# Altium PCB 电解模块主控板_V1.0_ZM_20210726.PcbDoc (part 1 of 2) (continued)
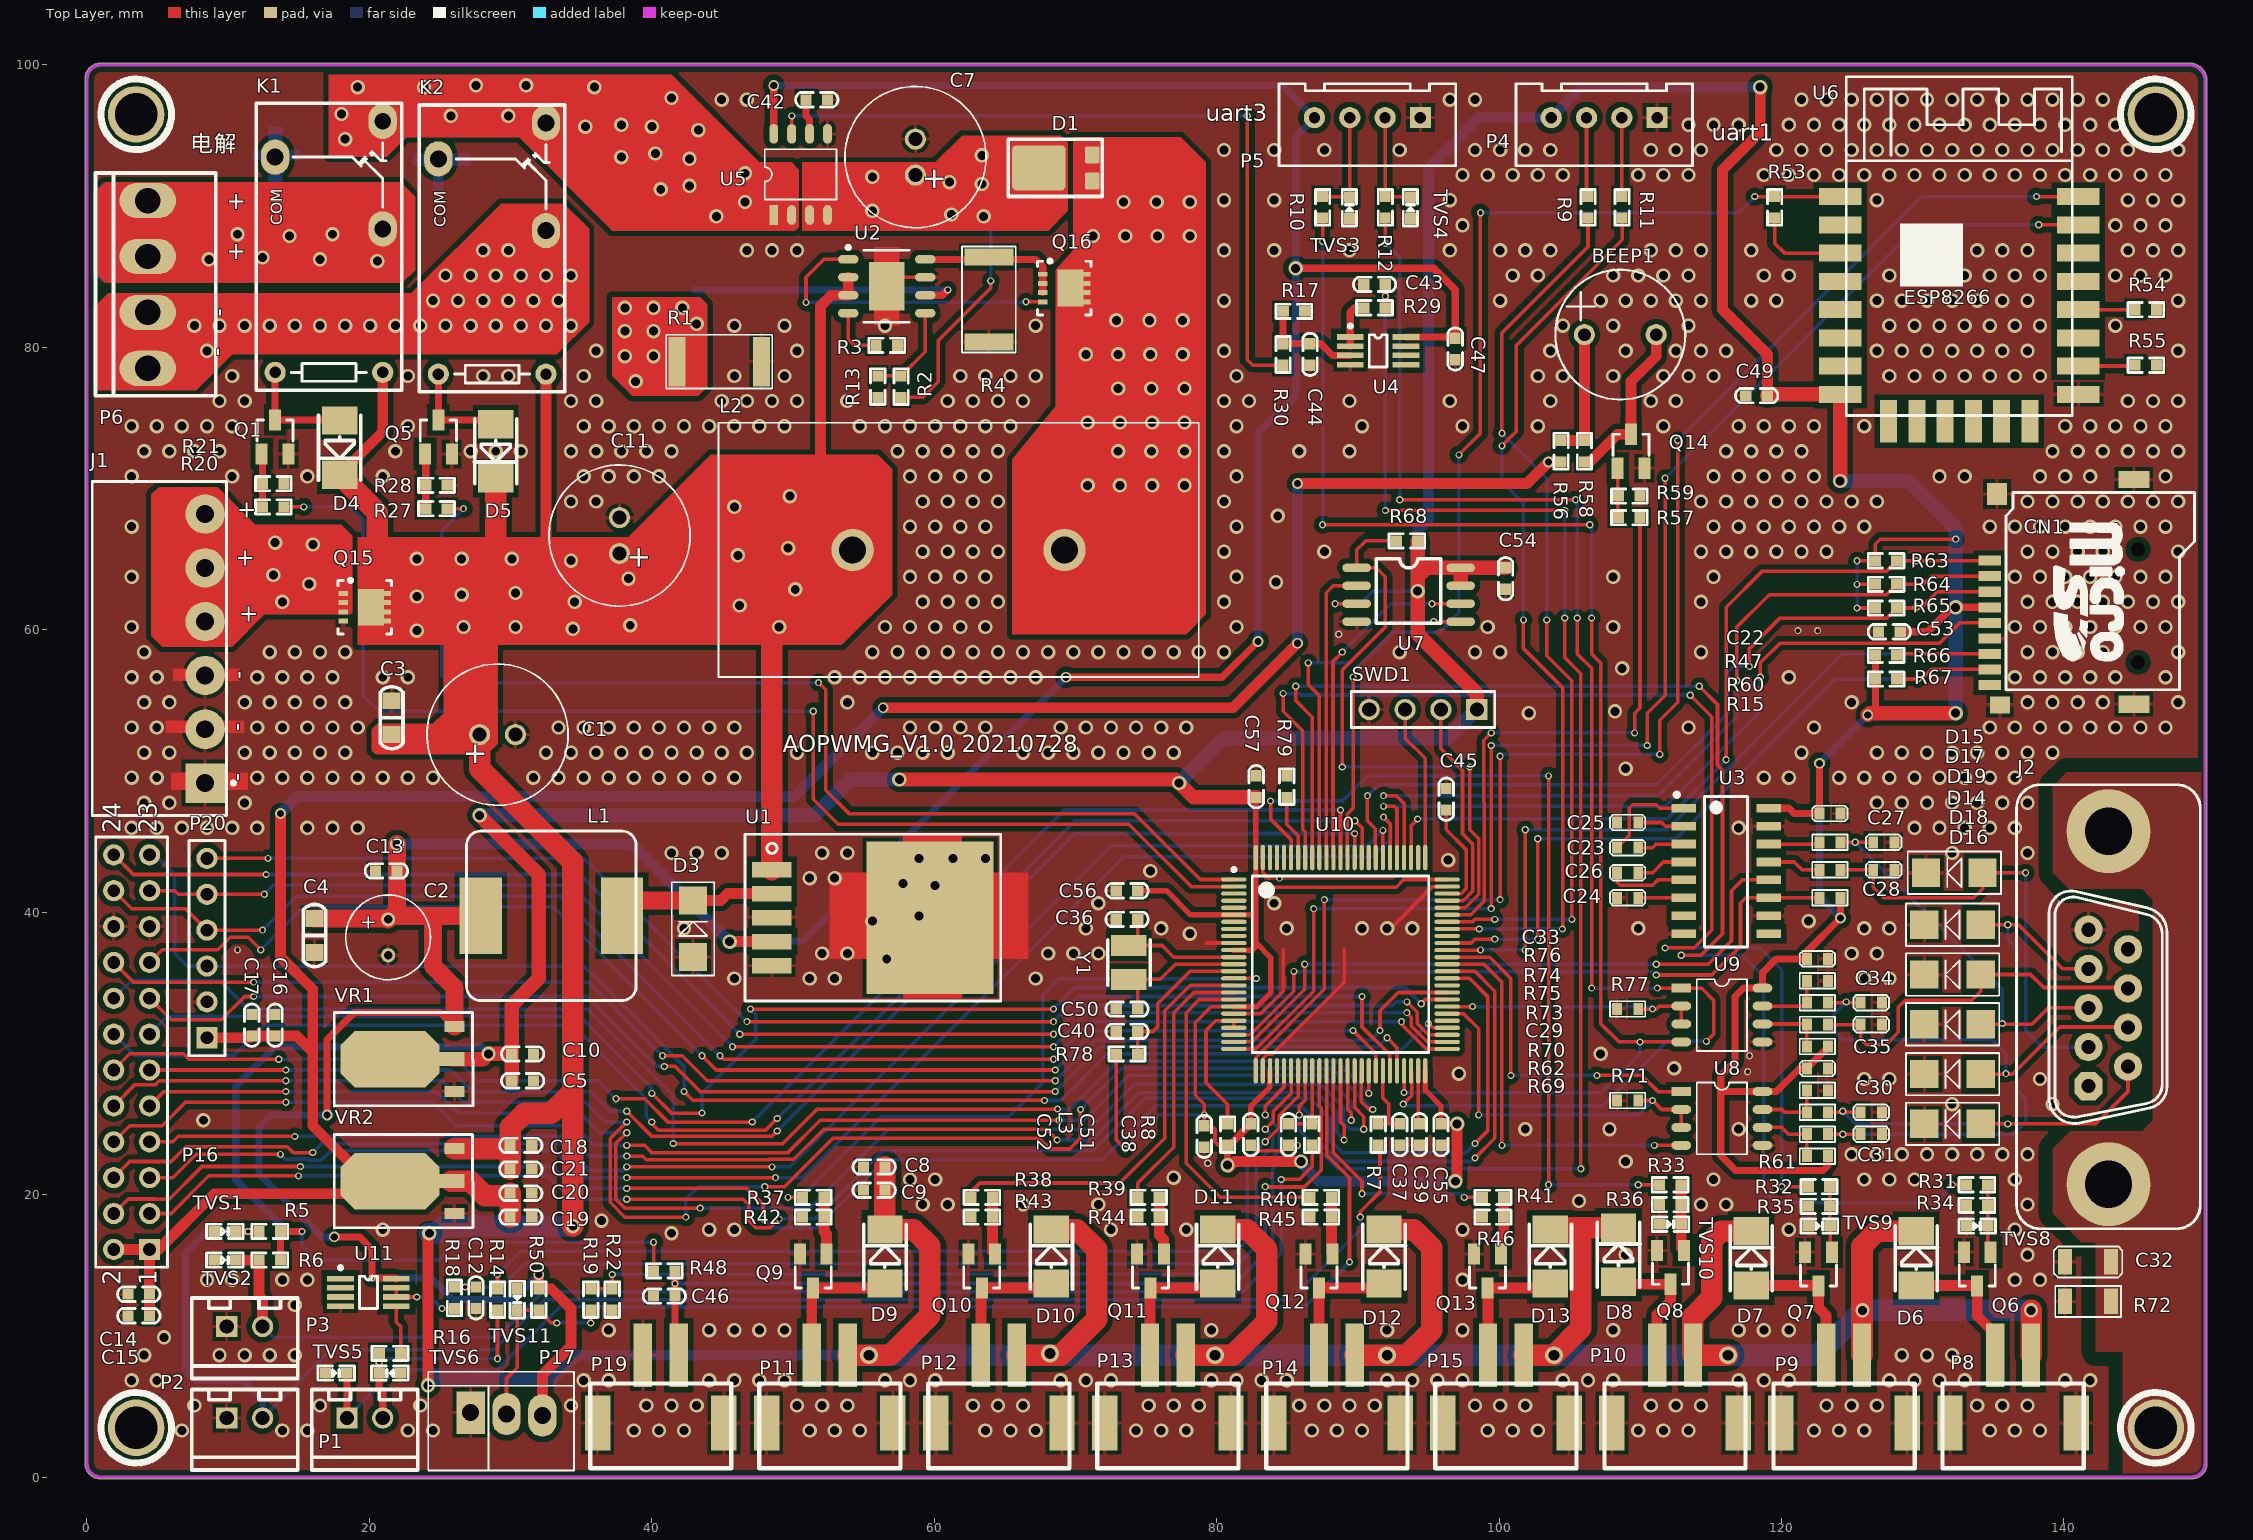
[diagram p0: Top Layer view]
## Footprints (in the part's own frame and the unit in brackets; to place one, negate y for a bottom-side part, rotate by r counter-clockwise, add the part's x,y. Pads: shape width x height; smd on the part's side, far side on the other; paste and mask are expansions set on the pad)
3X2.54MMZ2 [mm]
  rect 2x3 hole 1.2: 1(0,0)
  oval 2x3 hole 1.2: 2(2.54,-0.1) 3(5.08,-0.2)
  silkscreen extent -3,-4.1 7.31,2.9
6*8 [mm]
  round 1 hole 0.6: 1(1.27,0) 2(-1.27,0)
  silkscreen extent -3,-3 3,3
10*16 [mm]
  round 1.5 hole 1: 1(1.27,0) 2(-1.27,0)
  silkscreen extent -5,-5 5,5
0603C [mm]
  rect 0.7x0.85 smd: 1(0,0) 2(1.5,0)
  silkscreen extent -0.5,-0.55 2,0.55
0603R [mm]
  rect 0.7x0.85 smd: 1(0,0) 2(1.5,0)
  silkscreen extent -0.5,-0.55 2,0.55
1206C [mm]
  rect 1x1.8 smd: 1(0,0) 2(3.25,0)
  silkscreen extent -0.8,-1.1 4.05,1.1
1206r [mm]
  rect 1x1.8 smd: 1(0,0) 2(3.25,0)
  silkscreen extent -0.7,-1.1 3.95,1.1
2512R [mm]
  rect 1.2x3.5 smd: 1(0,0) 2(6,0)
  silkscreen extent -0.75,-1.9 6.75,1.9
2512r [mm]
  rect 1.2x3.5 smd: 1(0,0) 2(6,0)
  silkscreen extent -0.75,-1.9 6.75,1.9
BEEP-9.5X5.5 [mm]
  round 1.5 hole 0.9: 1(-2.54,0) 2(2.54,0)
  silkscreen extent -4.6,-4.6 4.6,4.6
CDRH-127 [mm]
  rect 3x5.4 smd: 1(-5,0) 2(5,0)
  silkscreen extent -6,-6 6,6, body extent -6,-6 6,6, height 8.2
DB2ERC-3P81-6P [mm]
  rect 2.79x2.79 hole 1.27: 1(0,0)
  round 2.79 hole 1.27: 2(3.81,0) 3(7.62,0) 4(11.43,0) 5(15.24,0) 6(19.05,0)
  silkscreen extent -2.3,-2.13 21.35,8
DFN3*3-8 [mm] "QFN, 16-Leads, Body 3.30x3.30mm, Pitch 0.65mm, Thermal Pad 2.45x2.45mm, IPC Medium Density"
  rect 0.35x0.65 smd: 1(0.975,-1.525) 2(-0.975,1.525) 2(-0.325,1.525) 2(0.325,1.525) 2(0.975,1.525) 3(-0.975,-1.525) 3(-0.325,-1.525) 3(0.325,-1.525)
  rect 2.6x1.84 smd: 2(0,0.45)
  silkscreen extent -2.03,-1.9 1.9,1.9, body extent -1.75,-1.75 1.75,1.75, height 0.8
DIP-9 [mm]
  oct 2x2 hole 1: 1(0,0)
  round 2 hole 1: 2(2.77,0) 3(5.54,0) 4(8.31,0) 5(11.08,0) 6(9.695,-2.803) 7(6.925,-2.803) 8(4.155,-2.803) 9(1.385,-2.803)
  round 5.95 hole 3.35: 10(-6.94,-1.42) 11(18.055,-1.42)
  silkscreen extent -10.09,-7.92 21.34,5.09
DO-214-AC [mm]
  rect 2x2.5 smd: 1(-1.915,0) 2(1.915,0)
  silkscreen extent -2.3,-1.52 2.3,1.5, body extent -2.3,-1.35 2.3,1.35, height 2.4
ESP-12F [mm]
  rect 3x1.2 smd: 1(0.203,0) 2(0.203,-2) 3(0.203,-4) 4(0.203,-6) 5(0.203,-8) 6(0.203,-10) 7(0.203,-12) 8(0.203,-14) 15(17.069,-14) 16(17.069,-12) 17(17.069,-10) 18(17.069,-8) 19(17.069,-6) 20(17.069,-4) 21(17.069,-2) 22(17.069,0)
  rect 1.2x3 smd: 9(3.632,-15.9) 10(5.632,-15.9) 11(7.632,-15.9) 12(9.632,-15.9) 13(11.632,-15.9) 14(13.632,-15.9)
  silkscreen extent 0.63,-15.49 16.64,8.49
G5Q-14 [mm]
  oval 2.5x2 hole 1.2: 1(1.27,-3.81) 2(8.89,-3.81) 3(6.35,3.81)
  round 1.5 hole 0.8: 4(-8.89,3.81) 5(-8.89,-3.81)
  silkscreen extent -10.15,-5.15 10.17,5.15, body extent -9.9,-4.95 9.9,4.95, height 15.91
HDR1X6 [mm] "Connector; Header; 6 Position"
  rect 1.5x1.5 hole 0.9: 1(0,0)
  round 1.5 hole 0.9: 2(2.54,0) 3(5.08,0) 4(7.62,0) 5(10.16,0) 6(12.7,0)
  silkscreen extent -1.27,-1.27 13.97,1.27
HDR2X12 [mm] "Connector; Header; 12x2 Position"
  rect 1.5x1.5 hole 0.9: 1(0,0)
  round 1.5 hole 0.9: 2(0,2.54) 3(2.54,0) 4(2.54,2.54) 5(5.08,0) 6(5.08,2.54) 7(7.62,0) 8(7.62,2.54) 9(10.16,0) 10(10.16,2.54) 11(12.7,0) 12(12.7,2.54) 13(15.24,0) 14(15.24,2.54) 15(17.78,0) 16(17.78,2.54) 17(20.32,0) 18(20.32,2.54) 19(22.86,0) 20(22.86,2.54) 21(25.4,0) 22(25.4,2.54) 23(27.94,0) 24(27.94,2.54)
  silkscreen extent -1.27,-1.27 29.21,3.81
INDUCTOR_34*18 [mm]
  round 3 hole 1.9: 1(0,0) 2(15,0)
  silkscreen extent -9.5,-9 24.5,9
MSOP-8 [mm]
  rect 1.9x0.4 smd: 1(-1.975,0.975) 2(-1.975,0.325) 3(-1.975,-0.325) 4(-1.975,-0.975) 5(1.975,-0.975) 6(1.975,-0.325) 7(1.975,0.325) 8(1.975,0.975)
  silkscreen extent -2.1,-1.14 0.64,1.87, body extent -2.45,-1.5 2.45,1.5, height 1.15
SD_Card_TF [mil]
  round 30 hole 39.37 mask+0: 0(-31.5,413.39) 0(283.46,413.39)
  rect 28x62 smd: 1(0,0) 2(43.31,0) 3(86.61,0) 4(129.92,0) 5(173.23,0) 6(216.54,0) 7(259.84,0) 8(303.15,0) 9(346.46,0)
  rect 48x56 smd: 10(402,28)
  rect 48x86 smd: 11(400,402) 12(-226,402)
  rect 62x56 smd: 13(-186,20)
  silkscreen extent -190,45 360,571
SIP-2A [mm]
  rect 1.5x1.5 hole 1: 1(-1.27,0)
  round 1.5 hole 1: 2(1.27,0)
  silkscreen extent -3.75,-3.68 3.75,2.02, body extent -3.7,-3.81 3.7,2.29, height 7.5
SIP-4 [mm]
  rect 1.5x1.5 hole 1: 1(-3.81,0)
  round 1.5 hole 1: 2(-1.27,0) 3(1.27,0) 4(3.81,0)
  silkscreen extent -5.08,-1.27 5.08,1.27
SMA [mm]
  rect 2x2 smd: 1(0,0) 2(4,0)
  silkscreen extent -1.3,-1.5 5.3,1.5
SMD-0603 [mil]
  rect 31.5x30 smd: 1(-30,0) 2(30,0)
  silkscreen extent -50,-20 50,20, body extent -31,-16 31,16, height 18
SMD-0603C [mil] "贴片电容"
  rect 31.5x30 smd: 1(-30,0) 2(30,0)
  silkscreen extent -59,-20 59,20, body extent -31,-16 31,16
SMD-0805C [mm]
  rect 1.2x1.27 smd: 1(-1.2,0) 2(1.2,0)
  silkscreen extent -2.2,-0.8 2.2,0.8, body extent -1.42,-0.67 1.58,0.73, height 0.93
SO-8 [mil]
  rect 55x25 smd: 1(0,0)
  oval 55x25 smd: 2(0,-50) 3(0,-100) 4(0,-150) 5(226.38,-150) 6(226.38,-100) 7(226.38,-50) 8(226.38,0)
  silkscreen extent 43,-175 183,25
SO-8W [mil]
  oval 80x24 smd: 1(0,0) 2(0,-50) 3(0,-100) 4(0,-150) 5(290,-150) 6(290,-100) 7(290,-50) 8(290,0)
  silkscreen extent 55,-155 235,25
SO-16Z [mil]
  rect 68x24 smd: 1(0,0) 2(0,-50) 3(0,-100) 4(0,-150) 5(0,-200) 6(0,-250) 7(0,-300) 8(0,-350) 9(237.11,-350) 10(237.11,-300) 11(237.11,-250) 12(237.11,-200) 13(237.11,-150) 14(237.11,-100) 15(237.11,-50) 16(237.11,0)
  silkscreen extent -19,-387 178,38
SOD-523 [mil]
  rect 31.5x30 smd: 1(-30,0) 2(30,0)
  silkscreen extent -51,-20 51,20, body extent -31,-16 31,16, height 26
SOP127P600X265_HS-9N [mm] "SOP, 8-Leads, Body 4.90x3.90mm, Pitch 1.27mm, Thermal Pad 3.40x2.52mm, IPC Medium Density"
  oval 1.45x0.6 smd: 1(-2.725,1.905) 2(-2.725,0.635) 3(-2.725,-0.635) 4(-2.725,-1.905) 5(2.725,-1.905) 6(2.725,-0.635) 7(2.725,0.635) 8(2.725,1.905)
  rect 2.52x3.4 smd: 9(0,0)
  silkscreen extent -2.85,-2.55 1.6,2.88, body extent -2,-2.55 2,2.55, height 2.65
SOT223 [mm]
  rect 0.8x1.4 smd: 1(0,0) 3(4.6,0)
  rect 1x1.854 smd: 2(2.3,0.227)
  oct 4x7 smd: 4(2.286,4.572)
  silkscreen extent -1.02,-1.3 5.59,8.51
SOT-23 [mm]
  rect 0.85x1.5 smd: 1(-0.95,-1.2) 2(0.95,-1.2) 3(0,1.2)
  silkscreen extent -1.27,-0.3 1.28,1.2, body extent -1.45,-1.4 1.45,1.4, height 1.2
STM-LQFP100_N [mm] "Thin QFP, 100-Leads, Body 14x14mm, Pitch 0.5mm, IPC Medium Density"
  oval 1.8x0.3 smd: 1(-7.55,6) 2(-7.55,5.5) 3(-7.55,5) 4(-7.55,4.5) 5(-7.55,4) 6(-7.55,3.5) 7(-7.55,3) 8(-7.55,2.5) 9(-7.55,2) 10(-7.55,1.5) 11(-7.55,1) 12(-7.55,0.5) 13(-7.55,0) 14(-7.55,-0.5) 15(-7.55,-1) 16(-7.55,-1.5) 17(-7.55,-2) 18(-7.55,-2.5) 19(-7.55,-3) 20(-7.55,-3.5) 21(-7.55,-4) 22(-7.55,-4.5) 23(-7.55,-5) 24(-7.55,-5.5) 25(-7.55,-6) 51(7.55,-6) 52(7.55,-5.5) 53(7.55,-5) 54(7.55,-4.5) 55(7.55,-4) 56(7.55,-3.5) 57(7.55,-3) 58(7.55,-2.5) 59(7.55,-2) 60(7.55,-1.5) 61(7.55,-1) 62(7.55,-0.5) 63(7.55,0) 64(7.55,0.5) 65(7.55,1) 66(7.55,1.5) 67(7.55,2) 68(7.55,2.5) 69(7.55,3) 70(7.55,3.5) 71(7.55,4) 72(7.55,4.5) 73(7.55,5) 74(7.55,5.5) 75(7.55,6)
  oval 0.3x1.8 smd: 26(-6,-7.55) 27(-5.5,-7.55) 28(-5,-7.55) 29(-4.5,-7.55) 30(-4,-7.55) 31(-3.5,-7.55) 32(-3,-7.55) 33(-2.5,-7.55) 34(-2,-7.55) 35(-1.5,-7.55) 36(-1,-7.55) 37(-0.5,-7.55) 38(0,-7.55) 39(0.5,-7.55) 40(1,-7.55) 41(1.5,-7.55) 42(2,-7.55) 43(2.5,-7.55) 44(3,-7.55) 45(3.5,-7.55) 46(4,-7.55) 47(4.5,-7.55) 48(5,-7.55) 49(5.5,-7.55) 50(6,-7.55) 76(6,7.55) 77(5.5,7.55) 78(5,7.55) 79(4.5,7.55) 80(4,7.55) 81(3.5,7.55) 82(3,7.55) 83(2.5,7.55) 84(2,7.55) 85(1.5,7.55) 86(1,7.55) 87(0.5,7.55) 88(0,7.55) 89(-0.5,7.55) 90(-1,7.55) 91(-1.5,7.55) 92(-2,7.55) 93(-2.5,7.55) 94(-3,7.55) 95(-3.5,7.55) 96(-4,7.55) 97(-4.5,7.55) 98(-5,7.55) 99(-5.5,7.55) 100(-6,7.55)
  silkscreen extent -7.67,-6.25 6.25,6.82, body extent -7,-7 7,7, height 1.6
TO227 [mm] "DPAK"
  rrect20% 1.2x1 smd: 1(-0.92,-3.25) 1(0.92,-3.25)
  rrect20% 3.2x3.8 smd: 2(0,0.533)
  silkscreen extent -2.02,-3.96 2.04,2.69
TO-263-5 [mm]
  rect 1.1x2.8 smd: 1(-3.4,0) 2(-1.7,0) 3(0,0) 4(1.7,0) 5(3.4,0)
  rect 10.8x9 smd: 6(0,11.2)
  silkscreen extent -5.9,-1.9 5.9,16.2, body extent -5.08,-0.32 5.08,14.32, height 4.57
VH-AW-3.96*4P [mm]
  oval 2.5x4 hole 1.8: 1(-5.94,0) 2(-1.98,0) 3(1.98,0) 4(5.94,0)
  silkscreen extent -7.89,-4.8 7.89,3.7, body extent -7.89,-4.7 7.89,3.8, height 11.2
XH2.54-4A [mm]
  rect 1.5x1.5 hole 0.8: 1(-3.75,0)
  round 1.5 hole 0.8: 2(-1.25,0) 3(1.25,0) 4(3.75,0)
  silkscreen extent -6.25,-2.4 6.25,3.4, body extent -6.2,-2.35 6.2,3.4, height 7.1
XH-2.54-2P-LI [mm]
  rect 1.8x3.9 smd: 0(-4.47,4.8) 0(4.47,4.8)
  rect 1.3x4.5 smd: 1(-1.27,0) 2(1.27,0)
  silkscreen extent -5,2 5,8
XTAL-3225-2 [mm]
  rect 1.5x2.5 smd: 1(-1.2,0) 2(1.2,0)
  silkscreen extent -1.6,-1.5 1.6,1.5, body extent -1.6,-1.25 1.6,1.25, height 0.9

## Part data
C1 C2 C7 C11: library part CAP2, "电解电容"
C3 C4 C8 C9 C10 C12 C13 C43 C44 C46: library part CAP4, "贴片电容 10%"
C5 C14 C15 C16 C17 C18 C19 C20 C21 C37 C38 C39 C40 C45 C49 C51 C52 C53 C54 C55 C56 C57: library part CAP4, "贴片电容 20%"
C22 C23 C24 C25 C26 C27 C28 C29 C30 C31 C32 C33 C34 C35: library part CAP
C36 C50: library part CAP4, "贴片电容 5%"
C42: library part C, "贴片电容 10%"
C47: library part "0805 22uF (226) 20% 25V", "贴片电容 10%"
CN1: library part "SD Card"
D1: library part DIODE2, "肖特基二极管"
D3: library part DIODE
D4 D5 D6 D7 D8 D9 D10 D11 D12 D13: library part DIODE2, "贴片二极管"
D14 D15 D16 D17 D18 D19: library part D_ESD
J2: library part DB9
K1 K2: library part JDQ1, "5V 继电器"
L1: library part IND
L2: library part Inductor1, "10uH 1A"
L3: library part CIZHU1, "磁珠电感 100R 100MHz"
P1 P2 P3: library part SIP-2, "XH2.54 2P 直插"
P4 P5: library part HDR1*4
P6: "3.96 4P 直插"
P8 P9 P10 P11 P12 P13 P14 P15 P19: "XH2.54 2P 立贴"
P16: "Header, 12-Pin, Dual row"
P17: library part HDR1*3
P20: "Header, 6-Pin"
Q1 Q5 Q9 Q10 Q11 Q12 Q13: library part NPN-1, "三极管"
Q6 Q7 Q8 Q15 Q16: library part "MOSFET N", "MOSFET N"
Q14: library part NPN-1, "NPN"
R1 R2 R3 R4 R13: library part R, "贴片电阻 5%"
R5 R6 R7 R8 R14 R16 R17 R30: library part RES0, "贴片电阻 1%"
R9 R10 R11 R12 R20 R21 R27 R28 R53 R54 R55 R63 R64 R65 R66 R67 R68 R78 R79: library part RES2, "贴片电阻 5%"
R15 R47 R60 R61 R62 R69 R70 R71 R72 R73 R74 R75 R76 R77: library part RES
R18 R29 R56 R57 R58 R59: library part RES0, "贴片电阻 5%"
R19 R22 R50: library part "0603 10KΩ (1002) 1%", "贴片电阻 5%"
R31 R32 R33 R34 R35 R36 R37 R38 R39 R40 R41 R42 R43 R44 R45 R46 R48: library part RES-SOP, "贴片电阻 5%"
SWD1: library part SIP-4, "ISP 下载"
TVS1 TVS2 TVS3 TVS4 TVS5 TVS6 TVS8 TVS9 TVS10: library part TVS-1, "TVS"
TVS11: library part TVS-1, "TVS 5.0V"
U1: library part LM2596
U4: library part LM358, "运算放大器"
U5: library part ACS712, "HALL 20A 电流传感器"
U6: library part ESP8266
U7: library part W25Q128FV
U10: library part STM32F405VGTx
U11: library part LM358, "运放"
VR1: library part LM1117, "三端稳压器"
VR2: library part LM1117, "三端稳压器 （耐压20V）"
Y1: library part XTAL, "3225 贴片晶振"

## Free pads (board coordinates)
  round 4 hole 3: 0(3.5,3.5) 0(3.5,96.5) 0(146.5,3.5) 0(146.5,96.5)

## Via types
v1: diameter 1.016, hole 0.635, Top Layer to Bottom Layer, tented both sides, 1001 vias
v2: diameter 0.508, hole 0.305, Top Layer to Bottom Layer, tented both sides, 238 vias
v3: diameter 0.762, hole 0.508, Top Layer to Bottom Layer, tented both sides, 14 vias
v4: diameter 1.27, hole 0.762, Top Layer to Bottom Layer, tented both sides, 6 vias

## Nets (pads, with @x,y where several pads share a name; then routed paths per layer and width w, separated by ;. In a path a pad name is that pad's centre, name@x,y a point inside that pad or via, vN(x,y) a via of type N, cw(c..) or ccw(c..) an arc to the next point about the centre after c; other vN are vias at no path point)
3.3V: C5.2 C10.2 C22.1 C29.1 C33.1 C49.2 C51.2 C52.2 C53.1 C54.1 C55.2 C56.2 C57.2 CN1.4 L3.1 P4.4 R5.1 R6.1 R15.1 R48.2 R61.2 R63.1 R64.1 R65.1 R66.1 R67.1 R68.1 R73.2 R78.2 SWD1.1 U3.16 U6.8 U7.3 U7.7 U7.8 U8.8 U9.8 U10.6 U10.11 U10.19 U10.28 U10.50 U10.75 U10.100 VR1.2 VR1.4 | length 513.8
  Top Layer w0.254: R48.2@40.132,14.605 v2(40.132,16.637) ; R78.2@72.898,29.972 72.898,23.876 v2(73.533,23.241) ; L3.1@80.772,23.495 80.137,23.495 79.883,23.749 79.883,24.638 79.629,24.892 C52.2@79.121,24.892 v2(79.121,25.654) 79.121,26.416 78.486,27.051 78.486,32.179 79.629,33.322 U10.19@81.223,33.322 ; 82.773,41.783 92.71,41.783 93.249,42.322 U10.75@96.323,42.322 ; v2(88.392,61.849) U7.3@89.916,61.849 ; v2(125.349,61.544) R65.1@126.644,61.544 ; v2(125.349,63.221) R64.1@126.644,63.221 ; v2(125.349,64.897) R63.1@126.644,64.897 126.644,66.065 127,66.421 v2(132.334,66.421)
  Top Layer w0.381: C56.2@74.422,41.529 76.454,41.529 78.161,39.822 U10.6@81.223,39.822 82.479,39.822 82.773,39.528 ; U10.19@81.223,33.322 82.852,33.322 83.82,34.29 83.82,36.799 82.773,37.846 ; U10.11@81.223,37.322 82.534,37.322 82.773,37.561 82.773,37.846 ; C51.2@82.423,25.019 82.423,26.289 83.773,27.639 U10.28@83.773,28.772 ; C57.2@82.804,48.133 82.773,48.102 U10.100@82.773,43.872 82.773,41.783 82.773,39.528 ; U10.50@94.773,28.772 94.773,27.401 95.885,26.289 C55.2@95.885,25.019 v1(97.028,25.019) ; 82.773,37.846 82.773,39.528
  Top Layer w0.508: R6.1@13.716,15.367 R5.1@13.716,17.399 v2(15.24,17.399) ; v1(80.772,22.098) L3.1@80.772,23.495 80.899,23.495 C51.2@82.423,25.019 ; U3.16@119.091,47.371 120.523,47.371 120.904,46.99 C22.1@122.682,46.99 v3(122.682,50.546) ; R61.2@123.293,22.733 123.293,22.074 122.936,21.717 116.756,21.717 115.697,22.776 115.697,27.305 ; R73.2@123.293,30.494 123.293,30.442 C29.1@121.793,28.942 121.271,28.942 119.634,27.305 U8.8@118.653,27.305 115.697,27.305 ; R15.1@124.182,41.021 v3(124.182,39.6) 121.793,37.211 C33.1@121.793,36.703 119.634,36.703 118.653,35.722 U9.8@118.653,34.629 117.306,34.629 116.713,34.036 116.713,29.462 115.697,28.446 115.697,27.305 ; v3@126.238,54.102 126.644,54.508 R67.1@126.644,56.515 R66.1@126.644,58.191 ; C53.1@128.397,59.868 130.353,59.868 132.082,61.597 CN1.4@134.747,61.597
  Top Layer w0.762: v1(80.772,22.098) 80.899,21.971 81.28,22.352 v1(85.979,22.352) ; v1(96.901,20.955) 97.028,21.082 v1(97.028,25.019) ; v1(118.491,98.425) 118.491,95.25 115.824,92.583 115.824,82.677 118.999,79.502 C49.2@118.999,76.581
  Top Layer w1.016: VR1.2@25.808,29.605 28.081,29.605 v1(28.448,29.972) C10.2@30.099,29.972 ; v1(27.813,46.863) 32.004,42.672 32.004,35.306 30.099,33.401 C10.2@30.099,29.972 ; C5.2@30.099,28.067 C10.2@30.099,29.972 ; v1(57.531,49.403) 77.089,49.403 v1(77.343,49.149) 78.359,48.133 C57.2@82.804,48.133 ; R68.1@94.234,66.294 v1(94.234,62.738) 94.234,59.69 98.425,55.499 SWD1.1@98.425,54.356 ; 94.488,64.008 94.869,64.389 U7.8@97.282,64.389 ; U7.7@97.282,63.373 U7.8@97.282,64.389 ; C54.1@100.457,64.389 U7.8@97.282,64.389 ; C49.2@118.999,76.581 119.096,76.678 U6.8@124.155,76.678 v1(124.155,70.536) ; v3(126.111,53.975) 126.238,54.102 v1(132.334,54.102)
  Bottom Layer w0.254: v2(15.24,17.399) 15.24,16.383 16.256,15.367 24.892,15.367 26.162,16.637 v2(40.132,16.637) ; v2(73.533,23.241) 75.946,25.654 v2(79.121,25.654) ; v2(88.392,61.849) 90.17,61.849 91.059,62.738 v1(94.234,62.738) ; v2(125.349,61.544) v2(125.349,63.221) v2(125.349,64.897)
  Bottom Layer w0.508: v2(15.24,17.399) 14.197,17.399 10.541,21.055 10.541,27.686 13.335,30.48 27.94,30.48 v1(28.448,29.972) ; v3(124.182,39.6) 122.682,41.1 v3(122.682,50.546) v3(126.111,53.975)
  Bottom Layer w0.762: v1@85.979,22.225 v1(85.979,22.352) ; v1@86.106,22.098 87.249,20.955 v1(96.901,20.955) ; v1(94.234,62.738) 94.234,67.056 94.996,67.818 94.996,92.71 98.552,96.266 P4.4@103.692,96.266 105.851,98.425 v1(118.491,98.425)
  Bottom Layer w1.016: v1(27.813,46.863) 51.562,46.863 54.102,49.403 v1(57.531,49.403) ; v1(77.343,49.149) 80.518,52.324 96.393,52.324 SWD1.1@98.425,54.356 ; v1(124.155,70.536) 128.981,70.536 132.334,67.183 v2(132.334,66.421) v1(132.334,61.595) v1(132.334,54.102)
ADC_ELE: C43.2 R29.1 U10.33 | length 102.1
  Top Layer w0.254: v2(85.852,25.654) 85.852,26.289 86.273,26.71 U10.33@86.273,28.772 ; v2(91.948,68.453) v2(104.648,68.453) ; v2(104.648,60.833) 104.648,58.039 105.791,56.896 v2(105.791,21.844)
  Top Layer w0.508: R29.1@91.948,82.804 v2(91.948,83.629) C43.2@91.948,84.455
  Bottom Layer w0.254: v2(85.852,25.654) 85.852,24.571 88.579,21.844 v2(105.791,21.844) ; v2(91.948,68.453) v2(91.948,83.629) ; v2(104.648,60.833) v2(104.648,68.453)
EN1_485: R71.1 U8.2 U8.3 U10.56 | length 26.1
  Top Layer w0.254: U10.56@96.323,32.822 97.48,32.822 98.552,31.75 v2(98.552,25.654) ; R71.1@109.855,26.67 v2(110.871,26.67) 111.506,26.035 U8.2@112.903,26.035 U8.3@112.903,24.765
  Bottom Layer w0.254: v2(98.552,25.654) 109.855,25.654 v2(110.871,26.67)
EN2_485: R77.1 U9.2 U9.3 U10.57 | length 19
  Top Layer w0.254: U10.57@96.323,33.322 v2(98.123,33.322) ; R77.1@109.855,33.147 v2(110.871,33.147) 111.125,33.147 111.337,33.359 U9.2@112.903,33.359 U9.3@112.903,32.089
  Bottom Layer w0.254: v2(98.123,33.322) 110.696,33.322 v2(110.871,33.147)
GND: C1.2 C2.2 C3.1 C4.1 C5.1 C7.2 C8.1 C9.1 C10.1 C11.2 C12.1 C13.1 C14.1 C15.1 C16.1 C17.1 C18.1 C19.1 C20.1 C21.1 C22.2 C24.2 C25.2 C27.2 C28.2 C29.2 C30.2 C31.2 C32.1 C33.2 C34.2 C35.2 C36.2 C37.1 C38.1 C39.1 C40.1 C42.2 C43.1 C44.2 C45.1 C46.1 C47.1 C49.1 C50.2 C51.1 C52.1 C53.2 C54.2 C55.1 C56.1 C57.1 CN1.6 CN1.10 CN1.11 CN1.12 CN1.13 D3.1 D14.2 D15.2 D16.2 D17.2 D18.2 D19.2 J1.1 J1.2 J1.3 J2.5 P2.1 P3.1 P4.1 P5.1 P8.0 P9.0 P10.0 P11.0 P12.0 P13.0 P14.0 P15.0 P16.19 P16.20 P17.1 P19.0 P19.2 P20.2 Q1.2 Q5.2 Q6.2 Q7.2 Q8.2 Q9.2 Q10.2 Q11.2 Q12.2 Q13.2 Q14.2 Q15.1 R1.2 R3.2 R4.2 R13.2 R17.1 R21.1 R22.1 R28.1 R34.2 R35.2 R36.2 R42.2 R43.2 R44.2 R45.2 R46.2 R54.1 R55.2 R59.2 R70.2 R71.2 R72.1 R76.2 R77.2 R79.1 SWD1.4 TVS1.1 TVS2.1 TVS3.1 TVS4.1 TVS5.1 TVS6.1 TVS8.1 TVS9.1 TVS10.1 TVS11.1 U1.3 U1.5 U1.6 U2.7 U2.9 U3.8 U3.10 U3.15 U4.4 U5.5 U6.15 U7.4 U8.5 U9.5 U10.10 U10.20 U10.27 U10.74 U10.99 U11.4 VR1.1 VR2.1 | length 33.3
  Top Layer w0.254: U2.9@56.642,84.328 57.277,84.963 U2.7@59.367,84.963 ; 79.272,37.822 U10.10@81.223,37.822 ; U10.20@81.223,32.822 83.114,32.822 84.709,34.417 84.709,37.338 ; 82.804,23.114 84.709,23.114 C38.1@85.09,23.495 v2(85.725,23.495) ; U10.27@83.273,28.772 83.273,29.629 83.595,29.951 83.926,29.951 89.027,35.052 89.027,37.338 ; U10.99@83.273,43.872 83.273,42.838 83.693,42.418 ; v1@92.202,38.735 95.289,41.822 U10.74@96.323,41.822
  other v1: 6.731,3.302 13.843,3.302 15.621,3.302 22.733,3.302 24.511,3.302 38.735,3.302 40.513,3.302 42.291,3.302 51.181,3.302 52.959,3.302 54.737,3.302 63.627,3.302 65.405,3.302 67.183,3.302 74.295,3.302 76.073,3.302 77.851,3.302 86.741,3.302 88.519,3.302 90.297,3.302 99.187,3.302 100.965,3.302 102.743,3.302 109.855,3.302 111.633,3.302 113.411,3.302 122.301,3.302 124.079,3.302 125.857,3.302 134.747,3.302 136.525,3.302 138.303,3.302 7.62,5.08 16.51,5.08 23.622,5.08 34.29,5.08 39.624,5.08 41.402,5.08 43.18,5.08 50.292,5.08 52.07,5.08 53.848,5.08 62.738,5.08 64.516,5.08 66.294,5.08 75.184,5.08 76.962,5.08 78.74,5.08 85.852,5.08 87.63,5.08 89.408,5.08 91.186,5.08 98.298,5.08 100.076,5.08 101.854,5.08 110.744,5.08 112.522,5.08 114.3,5.08 123.19,5.08 124.968,5.08 126.746,5.08 133.858,5.08 135.636,5.08 137.414,5.08 3.175,6.858 4.953,6.858 35.179,6.858 36.957,6.858 44.069,6.858 45.847,6.858 47.625,6.858 49.403,6.858 56.515,6.858 58.293,6.858 60.071,6.858 68.961,6.858 70.739,6.858 72.517,6.858 79.629,6.858 81.407,6.858 83.185,6.858 84.963,6.858 92.075,6.858 93.853,6.858 95.631,6.858 97.409,6.858 104.521,6.858 106.299,6.858 108.077,6.858 116.967,6.858 118.745,6.858 120.523,6.858 127.635,6.858 129.413,6.858 131.191,6.858 132.969,6.858 140.081,6.858 141.859,6.858 4.064,8.636 9.398,8.636 11.176,8.636 12.954,8.636 14.732,8.636 128.524,8.636 130.302,8.636 132.08,8.636 5.461,9.906 36.957,10.414 44.069,10.414 45.847,10.414 47.625,10.414 49.403,10.414 79.629,10.414 92.075,10.414 97.409,10.414 108.077,10.414 116.967,10.414 118.745,10.414 120.523,10.414 14.732,12.192 8.509,13.97 10.287,13.97 13.843,13.97 15.621,13.97 97.409,13.97 136.525,13.97 138.303,13.97 108.966,15.748 137.414,15.748 41.402,17.272 20.955,17.526 44.069,17.526 45.847,17.526 72.517,17.526 77.851,17.526 97.409,17.526 120.523,17.526 136.525,17.526 36.449,18.161 59.182,19.304 60.96,19.304 66.294,19.304 71.628,19.304 114.3,19.304 116.078,19.304 137.414,19.304 105.664,19.558 58.293,21.082 60.071,21.082 115.189,21.082 125.857,21.082 127.635,21.082 129.413,21.082 136.525,21.082 76.962,21.209 108.966,22.352 124.968,22.86 126.746,22.86 128.524,22.86 130.302,22.86 132.08,22.86 133.858,22.86 135.636,22.86 137.414,22.86 101.854,24.638 107.823,24.638 116.967,24.638 8.255,25.273 132.08,26.416 139.192,26.416 125.857,28.194 127.635,28.194 138.303,28.194 97.155,28.575 112.395,28.956 107.188,29.972 45.847,35.306 51.181,35.306 52.959,35.306 67.183,35.306 125.857,35.306 127.635,35.306 56.642,36.703 52.07,37.084 53.848,37.084 68.072,37.084 69.85,37.084 71.628,37.084 124.968,37.084 126.746,37.084 78.105,38.481 42.291,38.862 70.739,38.862 76.073,38.862 84.963,38.862 90.297,38.862 92.075,38.862 93.853,38.862 109.855,38.862 125.857,38.862 127.635,38.862 55.626,39.37 121.92,39.37 58.928,39.751 71.628,40.64 84.074,40.64 60.071,41.91 57.785,42.037 51.181,42.418 52.959,42.418 75.311,42.926 96.393,43.688 58.928,43.815 61.341,43.815 63.627,43.815 41.402,44.196 43.18,44.196 44.958,44.196 52.07,44.196 53.848,44.196 132.08,44.196 137.414,44.196 3.175,45.974 4.953,45.974 6.731,45.974 8.509,45.974 10.287,45.974 12.065,45.974 15.621,45.974 17.399,45.974 19.177,45.974 116.967,45.974 129.413,45.974 131.191,45.974 132.969,45.974 134.747,45.974 136.525,45.974 4.064,47.752 5.842,47.752 11.176,47.752 126.746,47.752 128.524,47.752 130.302,47.752 132.08,47.752 133.858,47.752 135.636,47.752 137.414,47.752 3.175,49.53 4.953,49.53 12.065,49.53 13.843,49.53 15.621,49.53 17.399,49.53 19.177,49.53 20.955,49.53 22.733,49.53 24.511,49.53 31.623,49.53 33.401,49.53 35.179,49.53 36.957,49.53 38.735,49.53 40.513,49.53 42.291,49.53 44.069,49.53 45.847,49.53 118.745,49.53 120.523,49.53 124.079,49.53 125.857,49.53 127.635,49.53 129.413,49.53 131.191,49.53 132.969,49.53 134.747,49.53 136.525,49.53 108.966,50.165 4.064,51.308 5.842,51.308 11.176,51.308 12.954,51.308 14.732,51.308 16.51,51.308 18.288,51.308 32.512,51.308 34.29,51.308 36.068,51.308 37.846,51.308 39.624,51.308 41.402,51.308 43.18,51.308 44.958,51.308 46.736,51.308 50.292,51.308 55.626,51.308 57.404,51.308 59.182,51.308 60.96,51.308 66.294,51.308 68.072,51.308 69.85,51.308 71.628,51.308 73.406,51.308 75.184,51.308 76.962,51.308 121.412,51.308 126.746,51.308 128.524,51.308 130.302,51.308 132.08,51.308 133.858,51.308 135.636,51.308 137.414,51.308 139.192,51.308 3.175,53.086 4.953,53.086 12.065,53.086 13.843,53.086 15.621,53.086 17.399,53.086 19.177,53.086 33.401,53.086 35.179,53.086 36.957,53.086 38.735,53.086 40.513,53.086 42.291,53.086 44.069,53.086 45.847,53.086 58.293,53.086 60.071,53.086 61.849,53.086 63.627,53.086 68.961,53.086 70.739,53.086 72.517,53.086 74.295,53.086 76.073,53.086 77.851,53.086 113.411,53.086 122.301,53.086 134.747,53.086 136.525,53.086 138.303,53.086 140.081,53.086 141.859,53.086 143.637,53.086 145.415,53.086 147.193,53.086 102.108,54.102 108.204,54.229 4.064,54.864 5.842,54.864 11.176,54.864 12.954,54.864 14.732,54.864 16.51,54.864 18.288,54.864 53.848,54.864 124.968,54.864 137.414,54.864 139.192,54.864 140.97,54.864 142.748,54.864 148.082,54.864 3.175,56.642 4.953,56.642 12.065,56.642 13.843,56.642 15.621,56.642 17.399,56.642 20.955,56.642 22.733,56.642 52.959,56.642 54.737,56.642 56.515,56.642 58.293,56.642 60.071,56.642 61.849,56.642 63.627,56.642 65.405,56.642 67.183,56.642 120.523,56.642 136.525,56.642 138.303,56.642 140.081,56.642 141.859,56.642 143.637,56.642 147.193,56.642 108.712,57.277 4.064,58.42 12.954,58.42 14.732,58.42 16.51,58.42 18.288,58.42 55.626,58.42 57.404,58.42 59.182,58.42 60.96,58.42 62.738,58.42 64.516,58.42 66.294,58.42 68.072,58.42 69.85,58.42 71.628,58.42 73.406,58.42 75.184,58.42 76.962,58.42 78.74,58.42 80.518,58.42 92.964,58.42 98.298,58.42 100.076,58.42 114.3,58.42 137.414,58.42 139.192,58.42 140.97,58.42 142.748,58.42 148.082,58.42 3.175,60.198 56.515,60.198 58.293,60.198 60.071,60.198 61.849,60.198 63.627,60.198 81.407,60.198 99.187,60.198 108.077,60.198 136.525,60.198 138.303,60.198 140.081,60.198 141.859,60.198 143.637,60.198 145.415,60.198 147.193,60.198 59.182,61.976 60.96,61.976 62.738,61.976 64.516,61.976 80.518,61.976 114.3,61.976 137.414,61.976 139.192,61.976 140.97,61.976 142.748,61.976 144.526,61.976 146.304,61.976 148.082,61.976 84.201,63.373 3.175,63.754 58.293,63.754 60.071,63.754 61.849,63.754 63.627,63.754 81.407,63.754 108.077,63.754 115.189,63.754 136.525,63.754 138.303,63.754 140.081,63.754 141.859,63.754 143.637,63.754 145.415,63.754 147.193,63.754 59.182,65.532 60.96,65.532 62.738,65.532 64.516,65.532 80.518,65.532 87.63,65.532 114.3,65.532 116.078,65.532 117.856,65.532 119.634,65.532 121.412,65.532 123.19,65.532 137.414,65.532 139.192,65.532 140.97,65.532 142.748,65.532 148.082,65.532 3.175,67.31 58.293,67.31 60.071,67.31 61.849,67.31 63.627,67.31 81.407,67.31 115.189,67.31 116.967,67.31 118.745,67.31 120.523,67.31 122.301,67.31 124.079,67.31 125.857,67.31 134.747,67.31 136.525,67.31 138.303,67.31 140.081,67.31 141.859,67.31 143.637,67.31 145.415,67.31 147.193,67.31 84.328,68.072 34.29,69.088 36.068,69.088 59.182,69.088 60.96,69.088 62.738,69.088 64.516,69.088 80.518,69.088 114.3,69.088 116.078,69.088 117.856,69.088 119.634,69.088 121.412,69.088 123.19,69.088 124.968,69.088 126.746,69.088 137.414,69.088 139.192,69.088 140.97,69.088 142.748,69.088 144.526,69.088 146.304,69.088 148.082,69.088 3.175,70.866 10.287,70.866 15.621,70.866 20.955,70.866 35.179,70.866 36.957,70.866 38.735,70.866 40.513,70.866 58.293,70.866 60.071,70.866 61.849,70.866 63.627,70.866 81.407,70.866 115.189,70.866 116.967,70.866 118.745,70.866 120.523,70.866 122.301,70.866 131.191,70.866 132.969,70.866 138.303,70.866 140.081,70.866 141.859,70.866 147.193,70.866 4.064,72.644 5.842,72.644 7.62,72.644 9.398,72.644 21.844,72.644 27.178,72.644 28.956,72.644 30.734,72.644 34.29,72.644 36.068,72.644 37.846,72.644 39.624,72.644 41.402,72.644 57.404,72.644 59.182,72.644 60.96,72.644 62.738,72.644 64.516,72.644 80.518,72.644 85.852,72.644 89.408,72.644 116.078,72.644 117.856,72.644 119.634,72.644 121.412,72.644 139.192,72.644 140.97,72.644 142.748,72.644 144.526,72.644 146.304,72.644 148.082,72.644 3.175,74.422 4.953,74.422 6.731,74.422 8.509,74.422 10.287,74.422 22.733,74.422 35.179,74.422 36.957,74.422 38.735,74.422 40.513,74.422 42.291,74.422 44.069,74.422 45.847,74.422 47.625,74.422 49.403,74.422 54.737,74.422 56.515,74.422 58.293,74.422 60.071,74.422 61.849,74.422 63.627,74.422 65.405,74.422 81.407,74.422 90.297,74.422 97.409,74.422 102.743,74.422 111.633,74.422 116.967,74.422 118.745,74.422 120.523,74.422 122.301,74.422 125.857,74.422 140.081,74.422 141.859,74.422 143.637,74.422 145.415,74.422 147.193,74.422 9.398,76.2 11.176,76.2 34.29,76.2 36.068,76.2 44.958,76.2 46.736,76.2 48.514,76.2 50.292,76.2 53.848,76.2 60.96,76.2 62.738,76.2 64.516,76.2 66.294,76.2 80.518,76.2 82.296,76.2 89.408,76.2 96.52,76.2 103.632,76.2 110.744,76.2 112.522,76.2 144.526,76.2 146.304,76.2 148.082,76.2 10.287,77.978 22.733,77.978 28.067,77.978 29.845,77.978 35.179,77.978 45.847,77.978 49.403,77.978 61.849,77.978 63.627,77.978 65.405,77.978 67.183,77.978 81.407,77.978 102.743,77.978 104.521,77.978 108.077,77.978 111.633,77.978 113.411,77.978 115.189,77.978 127.635,77.978 129.413,77.978 131.191,77.978 132.969,77.978 134.747,77.978 136.525,77.978 138.303,77.978 36.068,79.756 50.292,79.756 80.518,79.756 103.632,79.756 108.966,79.756 112.522,79.756 114.3,79.756 116.078,79.756 126.746,79.756 128.524,79.756 130.302,79.756 132.08,79.756 133.858,79.756 135.636,79.756 137.414,79.756 148.082,79.756 45.847,81.534 49.403,81.534 56.515,81.534 67.183,81.534 104.521,81.534 108.077,81.534 113.411,81.534 127.635,81.534 129.413,81.534 131.191,81.534 132.969,81.534 134.747,81.534 136.525,81.534 138.303,81.534 143.637,81.534 80.518,83.312 100.076,83.312 107.188,83.312 108.966,83.312 110.744,83.312 112.522,83.312 114.3,83.312 117.856,83.312 119.634,83.312 126.746,83.312 128.524,83.312 130.302,83.312 132.08,83.312 133.858,83.312 135.636,83.312 137.414,83.312 148.082,83.312 100.965,85.09 102.743,85.09 108.077,85.09 109.855,85.09 111.633,85.09 113.411,85.09 118.745,85.09 120.523,85.09 127.635,85.09 129.413,85.09 131.191,85.09 132.969,85.09 134.747,85.09 136.525,85.09 138.303,85.09 143.637,85.09 145.415,85.09 147.193,85.09 46.736,86.868 48.514,86.868 50.292,86.868 80.518,86.868 84.074,86.868 89.408,86.868 96.52,86.868 100.076,86.868 101.854,86.868 103.632,86.868 110.744,86.868 112.522,86.868 114.3,86.868 117.856,86.868 130.302,86.868 132.08,86.868 133.858,86.868 135.636,86.868 137.414,86.868 144.526,86.868 146.304,86.868 148.082,86.868 97.409,88.646 143.637,88.646 145.415,88.646 147.193,88.646 80.518,90.424 84.074,90.424 96.52,90.424 126.746,90.424 144.526,90.424 146.304,90.424 148.082,90.424 97.409,92.202 99.187,92.202 100.965,92.202 102.743,92.202 104.521,92.202 109.855,92.202 111.633,92.202 113.411,92.202 118.745,92.202 120.523,92.202 122.301,92.202 124.079,92.202 125.857,92.202 127.635,92.202 129.413,92.202 131.191,92.202 132.969,92.202 134.747,92.202 136.525,92.202 138.303,92.202 140.081,92.202 141.859,92.202 143.637,92.202 145.415,92.202 147.193,92.202 80.518,93.98 84.074,93.98 87.63,93.98 92.964,93.98 98.298,93.98 100.076,93.98 101.854,93.98 103.632,93.98 110.744,93.98 112.522,93.98 114.3,93.98 119.634,93.98 121.412,93.98 123.19,93.98 124.968,93.98 126.746,93.98 128.524,93.98 130.302,93.98 132.08,93.98 133.858,93.98 135.636,93.98 137.414,93.98 139.192,93.98 140.97,93.98 142.748,93.98 144.526,93.98 148.082,93.98 113.411,95.758 115.189,95.758 116.967,95.758 120.523,95.758 122.301,95.758 124.079,95.758 125.857,95.758 127.635,95.758 129.413,95.758 131.191,95.758 132.969,95.758 134.747,95.758 136.525,95.758 138.303,95.758 140.081,95.758 141.859,95.758 143.637,95.758 44.958,97.536 46.736,97.536 96.52,97.536 98.298,97.536 121.412,97.536 123.19,97.536 124.968,97.536 126.746,97.536 128.524,97.536 130.302,97.536 132.08,97.536 133.858,97.536 135.636,97.536 137.414,97.536 139.192,97.536 140.97,97.536 142.748,97.536
  other v2: 79.375,22.225 117.602,28.702 117.729,29.845 10.668,37.338 84.455,42.418 88.646,59.69 121.158,59.944 122.555,59.944
J3-2: C28.1 D15.1 J2.2 R60.2 | length 32.2
  Top Layer w0.254: R60.2@124.182,43.011 C28.1@126.492,43.011 126.492,41.783 127.254,41.021 133.604,41.021 134.239,41.656 D15.1@134.239,42.799 v2(137.287,42.799)
  Bottom Layer w0.254: v2(137.287,42.799) 137.287,31.623 138.454,30.456 J2.2@141.732,30.456
J3-3: C27.1 D14.1 J2.3 R47.2 | length 27.6
  Top Layer w0.254: R47.2@124.182,44.958 C27.1@126.492,44.958 ; D14.1@134.112,32.067 137.731,32.067 138.89,33.226 J2.3@141.732,33.226
  Bottom Layer w0.254: v2(125.222,44.958) 135.636,34.544 v2(135.636,32.131)
J3-4: C31.1 D17.1 J2.4 R69.2 | length 39
  Top Layer w0.254: R69.2@123.293,24.285 v2(124.333,24.285) C31.1@125.603,24.285 ; D17.1@134.112,39.116 v2(136.017,39.116) 136.779,39.116 139.899,35.996 J2.4@141.732,35.996
  Bottom Layer w0.254: v2(124.333,24.285) 136.426,24.285 137.287,25.146 137.287,26.797 136.652,27.432 136.652,37.465 136.017,38.1 v2(136.017,39.116)
J3-7: C35.1 D19.1 J2.7 R75.2 | length 26.6
  Top Layer w0.254: R75.2@123.293,32.046 C35.1@125.603,32.046 125.603,31.03 126.026,30.607 127.381,30.607 128.27,31.496 128.27,33.274 128.778,33.782 133.477,33.782 134.112,34.417 D19.1@134.112,35.592 137.636,35.592 138.557,34.671 144.475,34.671 J2.7@144.535,34.611
J3-8: C34.1 D18.1 J2.8 R74.2 | length 30.8
  Top Layer w0.254: R74.2@123.293,33.599 C34.1@125.603,33.599 ; D18.1@134.112,28.543 136.366,28.543 139.7,31.877 144.499,31.877 J2.8@144.535,31.841
  Bottom Layer w0.254: v2(124.587,33.655) 123.698,32.766 123.698,31.623 124.333,30.988 134.874,30.988 135.89,29.972 v2(135.89,28.575)
J3-9: C30.1 D16.1 J2.9 R62.2 | length 27.5
  Top Layer w0.254: R62.2@123.293,25.837 C30.1@125.603,25.837 ; D16.1@134.112,25.019 v2(136.017,25.019) 142.24,25.019 144.535,27.314 J2.9@144.535,29.071
  Bottom Layer w0.254: v2(124.333,25.908) 125.222,25.019 v2(136.017,25.019)
NetBEEP1_1: BEEP1.1 R56.1 R58.2 | length 9
  Top Layer w0.762: R56.1@104.394,73.406 R58.2@106.045,73.406 BEEP1.1@106.045,80.772
NetBEEP1_2: BEEP1.2 Q14.3 R58.1 | length 11.8
  Top Layer w0.762: R58.1@106.045,71.882 106.426,71.882 108.388,73.844 Q14.3@109.347,73.844 109.347,77.597 111.125,79.375 BEEP1.2@111.125,80.772
NetC12_2: C12.2 R18.1 U10.31 | length 72
  Top Layer w0.254: R18.1@26.035,13.462 v2(26.797,13.462) C12.2@27.559,13.462 ; v2(83.439,24.638) 84.023,25.222 84.023,25.908 85.273,27.158 U10.31@85.273,28.772
  Bottom Layer w0.254: v2(26.797,13.462) 29.337,13.462 30.988,15.113 80.518,15.113 82.804,17.399 82.804,22.225 83.972,23.393 83.972,24.105 v2(83.439,24.638)
NetC23_1: C23.1 U3.1 | length 7.2
  Top Layer w0.254: C23.1@108.355,44.577 109.22,45.442 109.22,47.371 109.474,47.625 111.125,47.625 111.379,47.371 U3.1@113.068,47.371
NetC23_2: C23.2 U3.3 | length 3.3
  Top Layer w0.254: C23.2@109.855,44.577 110.871,44.577 111.125,44.831 U3.3@113.068,44.831
NetC24_1: C24.1 U3.6 | length 3.2
  Top Layer w0.254: C24.1@109.855,41.021 U3.6@113.068,41.021
NetC25_1: C25.1 U3.2 | length 3.3
  Top Layer w0.254: C25.1@109.855,46.355 111.506,46.355 111.76,46.101 U3.2@113.068,46.101
NetC26_1: C26.1 U3.5 | length 5.6
  Top Layer w0.254: C26.1@108.355,42.799 108.355,42.14 108.585,41.91 110.871,41.91 111.252,42.291 U3.5@113.068,42.291
NetC26_2: C26.2 U3.4 | length 3.5
  Top Layer w0.254: C26.2@109.855,42.799 110.871,42.799 111.633,43.561 U3.4@113.068,43.561
NetC32_2: C32.2 J2.10 J2.11 pad.0@146.5,3.5 R72.2
NetC36_1: C36.1 U10.12 Y1.2 | length 8.9
  Top Layer w0.254: C36.1@74.422,39.497 74.422,37.776 74.549,37.649 76.143,37.649 76.97,36.822 U10.12@81.223,36.822
NetC37_2: C37.2 R7.2 U10.44 | length 5.5
  Top Layer w0.254: R7.2@91.44,25.019 92.202,25.019 ; U10.44@91.773,28.772 91.773,26.845 92.202,26.416 92.202,25.019 ; C37.2@92.964,25.019 92.202,25.019
NetC38_2: C38.2 R8.2 U10.34 | length 5.4
  Top Layer w0.254: C38.2@85.09,25.019 R8.2@86.741,25.019 86.773,25.051 U10.34@86.773,28.772
NetC39_2: C39.2 U10.49 | length 3.8
  Top Layer w0.254: U10.49@94.273,28.772 94.273,25.107 C39.2@94.361,25.019
NetC40_2: C40.2 R78.1 U10.14 | length 11.1
  Top Layer w0.254: R78.1@74.422,29.972 C40.2@74.422,31.559 75.501,31.559 75.819,31.877 75.819,33.528 78.113,35.822 U10.14@81.223,35.822
NetC42_1: C42.1 U5.6 | length 2.5
  Top Layer w0.508: C42.1@50.927,97.536 50.927,96.393 51.181,96.139 U5.6@51.181,95.123
NetC44_1: C44.1 R17.2 R30.1 U4.3 | length 7.4
  Top Layer w0.508: R17.2@84.709,82.55 R30.1@84.709,80.264 C44.1@86.614,80.264 87.376,80.264 88.209,79.431 U4.3@89.465,79.431
NetC45_2: C45.2 U10.73 | length 7.6
  Top Layer w0.254: C45.2@96.266,47.244 96.266,45.847 97.663,44.45 97.663,41.656 97.329,41.322 U10.73@96.323,41.322